# Altium PCB PCB1.PcbDoc
Units mm, origin at the board's own origin, x right, y up, seen from the top; angles counter-clockwise.
Board outline 119.76 x 82.55 mm, 2 copper layers (Top Layer, Bottom Layer); 52 components, 41 nets, 156 pads, 41 vias.
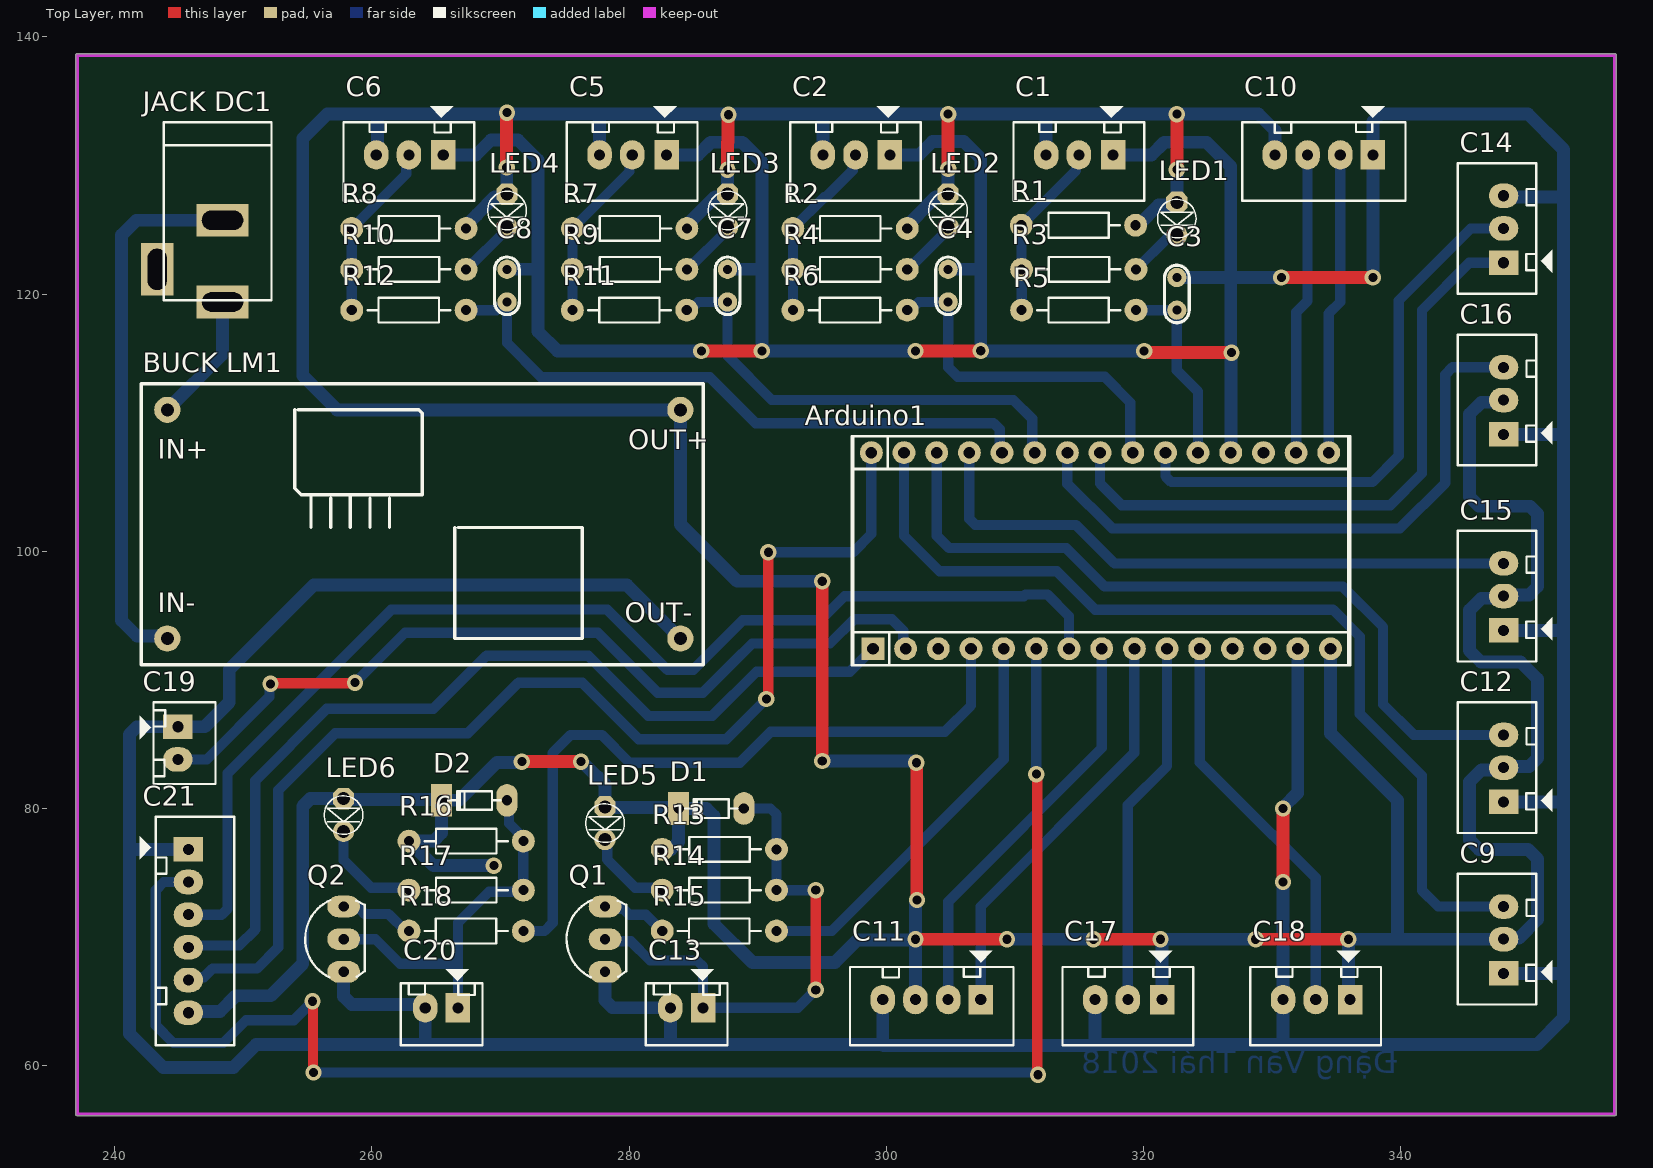
[diagram p0: Top Layer view]
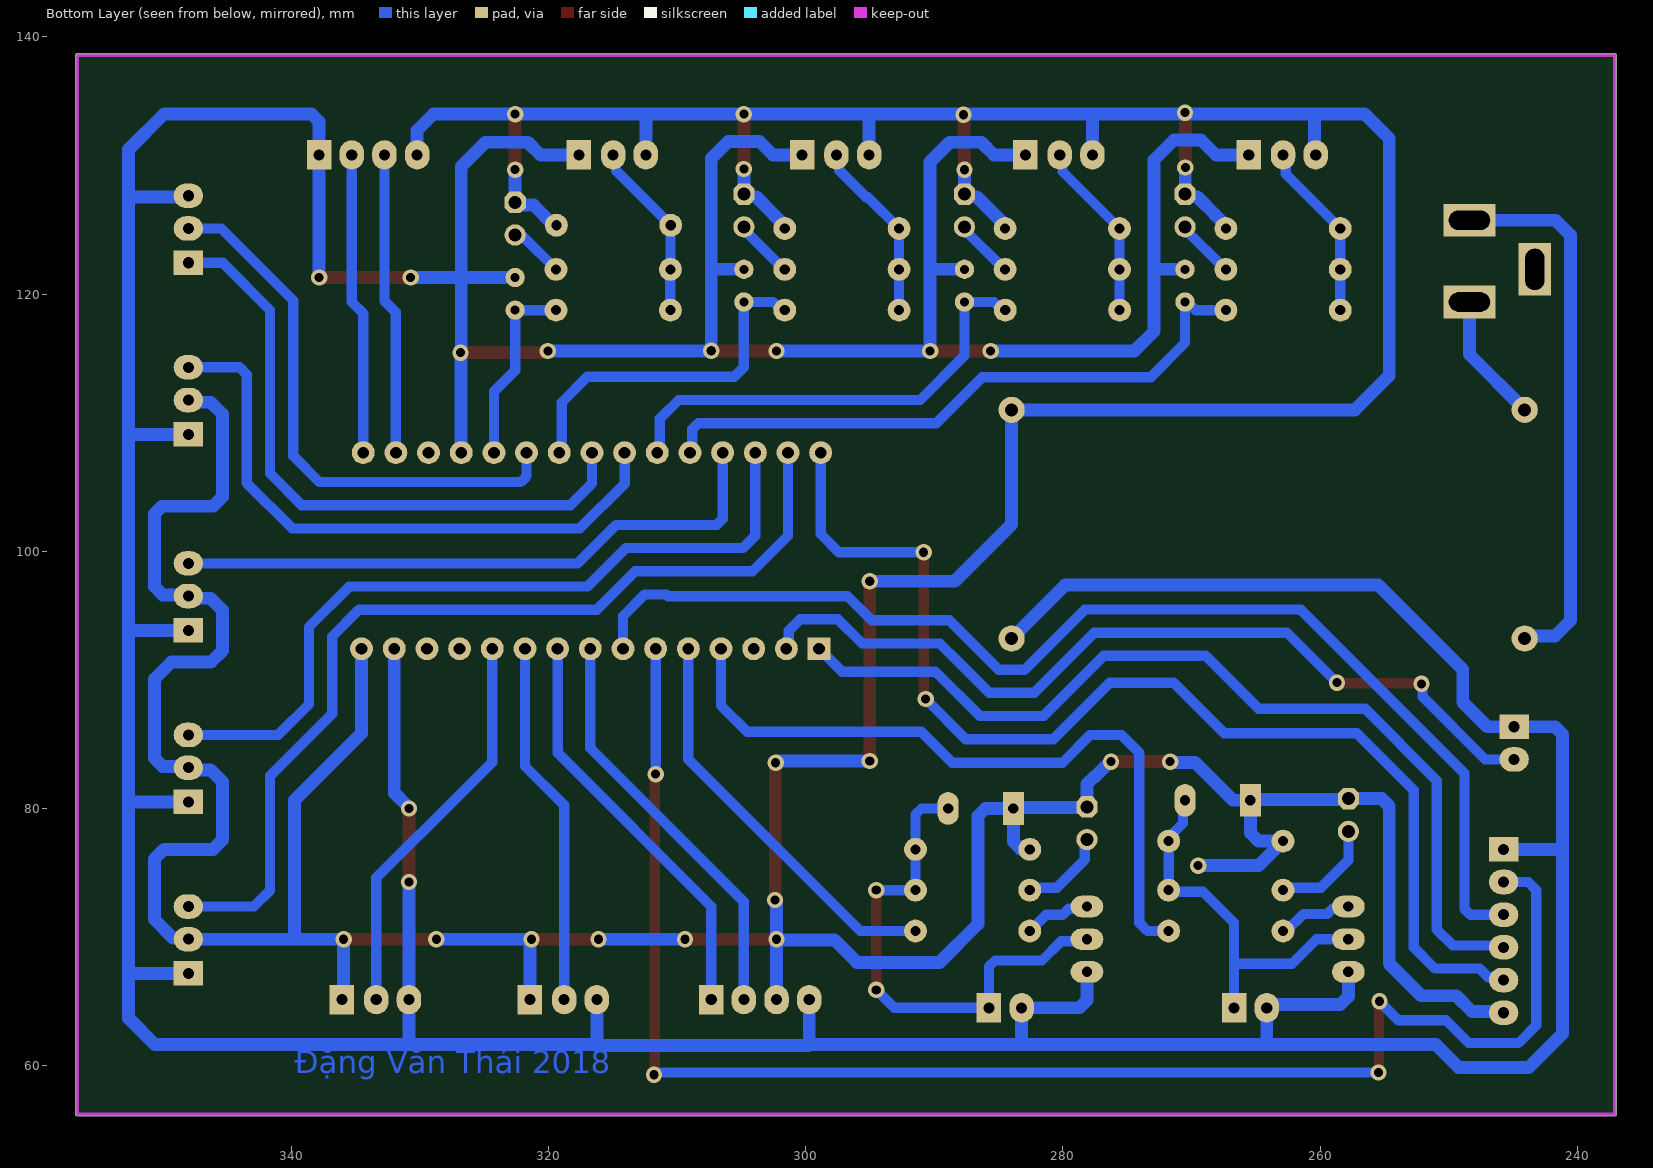
[diagram p1: Bottom Layer view, seen from below]

## Layer stack, top to bottom
Top Solder: solder mask 0.0102, Solder Resist, Dk 3.5
Top Layer: signal copper 0.0356
Dielectric 1: dielectric 0.32, FR-4, Dk 4.8
Bottom Layer: signal copper 0.0356
Bottom Solder: solder mask 0.0102, Solder Resist, Dk 3.5

## Board outline
236.982,56.261 236.982,138.557 cw(c237.109,138.557) 237.109,138.684 356.616,138.684 cw(c356.616,138.557) 356.743,138.557 356.743,56.261 cw(c356.616,56.261) 356.616,56.134 237.109,56.134 cw(c237.109,56.261)

## Design rules (kind name [scope] priority, off if disabled: settings)
Clearance [All] p1: gap=1 ignorepadtopadclearanceinfootprint=TRUE except(0.254: Arc-Hole Track-Hole SMDPad-Hole THPad-Hole Via-Hole Fill-Hole Poly-Hole Region-Hole Text-Hole)
PolygonConnect [All] p1: connectstyle=Relief reliefconductorwidth=0.254 reliefentries=4 polygonreliefangle="90 Angle" airgapwidth=0.254
RoutingVias [All] p1: holewidth=0.711 width=1.27 viastyle="Through Hole" minholewidth=0.711 minwidth=1.27 maxholewidth=0.711 maxwidth=1.27
SolderMaskExpansion [All] p1: expansion=0.102 istentingtop=FALSE
Width V12 [InNet('VCC12')] p1: maxlimit=1 minlimit=1 preferedwidth=1
Width GND [InNet('GND')] p2: maxlimit=1 minlimit=1 preferedwidth=1
Width GND12 [InNet('GND12')] p3: maxlimit=1 minlimit=1 preferedwidth=1
Width VCC [InNet('VCC5')] p4: maxlimit=1 minlimit=1 preferedwidth=1
Width SIGNAL [All] p5: maxlimit=0.8 minlimit=0.8 preferedwidth=0.8
30 further rules are at their usual default settings.

## Components (designator, comment, footprint, x,y, rotation, side; value= is the part's Value field where it differs from the comment)
Arduino1 "Arduino Nano" "Arduino Nano" 316.865,99.287 r270 top value="Cau 1A"
"BUCK LM1" "Buck LM2596" "BUCK LM2596" 263.665,102.87 r0 top
C1 "Sensor 01" Header3 317.5,130.81 r180 top
C2 "Sensor 0" Header3 300.143,130.81 r180 top
C3 "104" "tu gom" 322.58,120.015 r90 top
C4 "104" "tu gom" 304.8,120.65 r90 top
C5 "Sensor 02" Header3 282.787,130.81 r180 top
C6 "Sensor 03" Header3 265.43,130.81 r180 top
C7 "104" "tu gom" 287.655,120.65 r90 top
C8 "104" "tu gom" 270.51,120.65 r90 top
C9 "Servo_0" Header3 347.98,67.31 r90 top
C10 "USART_PC" Header4 337.82,130.81 r180 top
C11 "LCD_I2C" Header4 307.34,65.151 r180 top
C12 "Servo_1" Header3 347.98,80.645 r90 top
C13 "Header2" Header2 285.75,64.516 r180 top
C14 "L298N" Header3 347.98,122.555 r90 top
C15 "Servo_2" Header3 347.98,93.98 r90 top
C16 "Servo_3" Header3 347.98,109.22 r90 top
C17 "ADC1" Header3 321.31,65.151 r180 top
C18 "ADC2" Header3 335.915,65.151 r180 top
C19 "Header2" Header2 244.932,86.36 r270 top
C20 "Header2" Header2 266.7,64.516 r180 top
C21 "Header6" Header6 245.745,76.835 r270 top
D1 "100v" "DIODE 0.5A" 286.385,80.01 r0 top
D2 "100v" "DIODE 0.5A" 267.97,80.645 r0 top
"JACK DC1" "JACK DC 5.5" "JACK DC 5.5" 245.859,122.555 r270 top value="Jac DC"
LED1 "LED 3mm" LED-3MM-BLUE 322.58,125.73 r270 top
LED2 "LED 3mm" LED-3MM-BLUE 304.8,126.365 r270 top
LED3 "LED 3mm" LED-3MM-BLUE 287.655,126.365 r270 top
LED4 "LED 3mm" LED-3MM-BLUE 270.51,126.365 r270 top
LED5 "LED 3mm" LED-3MM-BLUE 278.13,78.74 r270 top
LED6 "LED 3mm" LED-3MM-BLUE 257.81,79.375 r270 top
Q1 "C1815" C1815_cam 278.13,69.85 r90 top
Q2 "C1815" C1815_cam 257.81,69.85 r90 top
R1 "47K" R1/4W 310.49,125.349 r0 top value="R1/4W - 1K"
R2 "47K" R1/4W 292.735,125.095 r0 top value="R1/4W - 1K"
R3 "100R" R1/4W 310.515,121.92 r0 top value="R1/4W - 1K"
R4 "100R" R1/4W 292.735,121.92 r0 top value="R1/4W - 1K"
R5 "4.7K" R1/4W 319.405,118.745 r180 top value="R1/4W - 1K"
R6 "4.7K" R1/4W 301.625,118.745 r180 top value="R1/4W - 1K"
R7 "47K" R1/4W 275.605,125.095 r0 top value="R1/4W - 1K"
R8 "47K" R1/4W 258.445,125.095 r0 top value="R1/4W - 1K"
R9 "100R" R1/4W 275.605,121.92 r0 top value="R1/4W - 1K"
R10 "100R" R1/4W 258.445,121.92 r0 top value="R1/4W - 1K"
R11 "4.7K" R1/4W 284.48,118.745 r180 top value="R1/4W - 1K"
R12 "4.7K" R1/4W 267.335,118.745 r180 top value="R1/4W - 1K"
R13 "510R" R1/4W 282.575,76.835 r0 top value="R1/4W - 1K"
R14 "510R" R1/4W 282.575,73.66 r0 top value="R1/4W - 1K"
R15 "510R" R1/4W 291.465,70.485 r180 top value="R1/4W - 1K"
R16 "510R" R1/4W 262.89,77.47 r0 top value="R1/4W - 1K"
R17 "510R" R1/4W 262.89,73.66 r0 top value="R1/4W - 1K"
R18 "510R" R1/4W 271.78,70.485 r180 top value="R1/4W - 1K"

## Footprints (in the part's own frame and the unit in brackets; to place one, negate y for a bottom-side part, rotate by r counter-clockwise, add the part's x,y. Pads: shape width x height; smd on the part's side, far side on the other; paste and mask are expansions set on the pad)
"Arduino Nano" [mil]
  round 70 hole 36: 3V3(270,-605) 5V(270,395) A0(270,-405) A1(270,-305) A2(270,-205) A3(270,-105) A4(270,-5) A5(270,95) A6(270,195) A7(270,295) D2(-330,290) D3(-330,190) D4(-330,90) D5(-330,-10) D6(-330,-110) D7(-330,-210) D8(-330,-310) D9(-330,-410) D10(-330,-510) D11(-330,-610) D12(-330,-710) GND(-330,390) GND(270,595) REF(270,-505) RST(-330,490) RST(270,495) RX0(-330,590) TX1(-330,690) VIN(270,695)
  rect 70x70 hole 36: D13(270,-705)
  silkscreen extent -380,-770 320,755, body extent -380,-924 320,844, height 834
"BUCK LM2596" [mil]
  round 80 hole 40: 1(-770,320) 2(-770,-380) 3(800,-380) 4(800,320)
  silkscreen extent -850,-460 870,400
C1815_cam [mil]
  oval 66x100 hole 32: 1(-100,0) 2(0,0) 3(100,0)
  silkscreen extent -117,-65 120,118, body extent -109,-66 109,95, height 245
"DIODE 0.5A" [mil] "Diode muoi, xung"
  oval 65x100 hole 32: 1(100,0)
  rect 65x100 hole 32: 2(-100,0)
  silkscreen extent -80,-30 80,28, body extent -108,-33 108,32, height 61
Header2 [mil] "CON2"
  rect 75x90 hole 34: 1(0,0)
  oval 75x90 hole 34: 2(100,0)
  silkscreen extent -75,-118 175,115, body extent -68,-70 168,107, height 236
Header3 [mil] "CON 3"
  rect 75x90 hole 34: 1(-5,0)
  oval 75x90 hole 34: 2(100,0) 3(200,0)
  silkscreen extent -100,-150 300,140, body extent -95,-90 295,136, height 276
Header4 [mil] "CON4"
  rect 75x90 hole 34: 1(0,0)
  oval 75x90 hole 34: 2(100,0) 3(200,0) 4(300,0)
  silkscreen extent -100,-150 400,140, body extent -90,-90 398,136, height 276
Header6 [mil] "CON6"
  rect 75x90 hole 34: 1(0,0)
  oval 75x90 hole 34: 2(100,0) 3(200,0) 4(300,0) 5(400,0) 6(500,0)
  silkscreen extent -100,-150 600,140
"JACK DC 5.5" [mm] "Jac DC input"
  rect 2.54x4.064 hole 1.5 slot 3.2 at 90 deg: 1(3.175,2.54) 2(-3.175,2.54)
  rect 4.064x2.54 hole 1.5 slot 3.2 at 0 deg: 3(0.635,-2.54)
  silkscreen extent -10.8,-2.03 3.05,6.35, body extent -10.42,-2.67 3.4,6.84, height 11.02
LED-3MM-BLUE [mil]
  oct 65x65 hole 40: 1(-55,0)
  round 65 hole 40: 2(45,0)
  silkscreen extent -64,-59 54,59, body extent -72,-65 54,65, height 184
R1/4W [mil]
  round 70 hole 31: 1(0,0) 2(350,0)
  silkscreen extent 48,-38 302,38, body extent -40,-47 386,47, height 111
"tu gom" [mm] "Tu gom mini"
  round 1.5 hole 0.7: 1(-1.27,0) 2(1.27,0)
  silkscreen extent -2.25,-0.97 2.22,0.97, body extent -2.92,-0.85 2.92,0.85, height 6.12

## Part data
Arduino1: "Arduino NANO"
C1 C2 C5 C6 C9 C12 C14 C15 C16 C17 C18: library part Header3, "Header IDC, 3 x 1 Pin Vertical 2.54mm Pitch (Non-Boxed, Male)", Manufacturer="W¨¹rth Elektronik eiSos GmbH", partNo=613002143121, ComponentLink1 Description=Manufacturer, ComponentLink1URL=http://www.we-online.com, ComponentLink2 Description=Datasheet, ComponentLink2URL=http://katalog.we-online.de/em/datasheet/6130xx143121.pdf, Created by="Karrer Zheng", Created Date="29 March 2013", NoPins=02
C3 C4 C7 C8: library part "Tu gom 104 50V", "Cắm", Chung_Loai=Cắm, Don_Vi=Con, Ma_Hang=MH004761, So_Chan=2, Ten_Linh_Kien="Tụ gốm 104 100nF 50V"
C10 C11: library part Header4, "Header IDC, 4 x 1 Pin Vertical 2.54mm Pitch (Non-Boxed, Male)", Manufacturer="W¨¹rth Elektronik eiSos GmbH", partNo=613002143121, ComponentLink1 Description=Manufacturer, ComponentLink1URL=http://www.we-online.com, ComponentLink2 Description=Datasheet, ComponentLink2URL=http://katalog.we-online.de/em/datasheet/6130xx143121.pdf, Created by="Karrer Zheng", Created Date="29 March 2013", NoPins=02
C13 C19 C20: "Header IDC, 2 x 1 Pin Vertical 2.54mm Pitch (Non-Boxed, Male)", Manufacturer="W¨¹rth Elektronik eiSos GmbH", partNo=613002143121, ComponentLink1 Description=Manufacturer, ComponentLink1URL=http://www.we-online.com, ComponentLink2 Description=Datasheet, ComponentLink2URL=http://katalog.we-online.de/em/datasheet/6130xx143121.pdf, Created by="Karrer Zheng", Created Date="29 March 2013", NoPins=02
C21: "Header IDC, 6 x 1 Pin Vertical 2.54mm Pitch (Non-Boxed, Male)", Manufacturer="W¨¹rth Elektronik eiSos GmbH", partNo=613002143121, ComponentLink1 Description=Manufacturer, ComponentLink1URL=http://www.we-online.com, ComponentLink2 Description=Datasheet, ComponentLink2URL=http://katalog.we-online.de/em/datasheet/6130xx143121.pdf, Created by="Karrer Zheng", Created Date="29 March 2013", NoPins=02
D1 D2: library part "Diode 1N4148", "Cắm", Chung_Loai=Cắm, Don_Vi=Con, Ma_Hang=MH001065, Ten_Linh_Kien="Diode 1N4148 DO35 450mA 100V ( 1N4148 DIP)"
LED1 LED2 LED3 LED4 LED5 LED6: library part "LED 3mm Xanh Duong", "Cắm", Chung_Loai=Cắm, Don_Vi=Con, Ma_Hang=MH009003, Ten_Linh_Kien="LED 3MM Xanh Dương SS (1000c)"
Q1 Q2: "NPN 600mW, ECB"
R1 R2 R3 R4 R5 R6 R7 R8 R9 R10 R11 R12 R13 R14 R15 R16 R17 R18: library part R1/4W, "Resistor 1/4W"

## Via types
v1: diameter 1.27, hole 0.711, Top Layer to Bottom Layer, 41 vias

## Nets (pads, with @x,y where several pads share a name; then routed paths per layer and width w, separated by ;. In a path a pad name is that pad's centre, name@x,y a point inside that pad or via, vN(x,y) a via of type N, cw(c..) or ccw(c..) an arc to the next point about the centre after c; other vN are vias at no path point)
ADC1: Arduino1.A6 C17.2 | length 28.5
  Bottom Layer w0.8: C17.2 318.77,80.264 321.818,83.312 Arduino1.A6
ADC2: Arduino1.A7 C18.2 | length 31
  Bottom Layer w0.8: Arduino1.A7 324.358,83.609 329.992,77.975 330.033,77.975 333.375,74.633 C18.2
GND: "BUCK LM1.3" Arduino1.GND C1.1 C2.1 C3.2 C4.2 C5.1 C6.1 C7.2 C8.2 C9.1 C10.1 C11.4 C12.1 C13.2 C14.3 C15.1 C16.1 C17.3 C18.3 C19.1 C20.2 C21.1 Q1.1 Q2.1 | length 550.4
  Top Layer w1: v1(285.62,115.57) v1(290.322,115.57) ; v1(302.26,115.57) 302.272,115.582 307.328,115.582 v1(307.34,115.593) ; v1(320.04,115.57) 320.092,115.518 320.283,115.518 320.358,115.443 v1(326.825,115.443) ; v1(330.708,121.285) v1(337.82,121.285) ; v1(330.835,74.295) v1(330.835,80.01)
  Bottom Layer w1: C21.1 241.173,76.835 ; Q2.1 257.81,65.405 258.445,64.77 263.906,64.77 C20.2 264.16,61.652 ; C6.1 268.109,130.81 269.267,131.968 271.367,131.968 272.924,130.411 272.924,121.92 ; C8.2 272.924,121.92 ; Q1.1 278.13,65.102 278.716,64.516 C13.2 283.21,61.652 ; C5.1 285.366,130.81 286.355,131.798 288.797,131.798 290.346,130.249 290.346,121.92 ; 283.985,93.218 279.829,97.374 255.489,97.374 248.92,90.805 248.92,88.265 247.015,86.36 C19.1 241.759,86.36 241.173,85.774 241.173,76.835 ; v1(285.62,115.57) 274.447,115.57 272.924,117.093 272.924,121.92 ; C7.2 290.346,121.92 ; C11.4 299.72,61.652 ; C2.1 302.543,130.81 303.583,131.85 306.017,131.85 307.34,130.527 307.34,121.793 ; v1(302.26,115.57) v1(290.322,115.57) 290.346,115.594 290.346,121.92 ; C4.2 307.213,121.92 307.34,121.793 ; C17.3 316.23,61.652 ; C1.1 320.608,130.81 321.6,131.802 324.89,131.802 326.771,129.921 326.771,121.285 ; v1(320.04,115.57) 320.028,115.582 307.352,115.582 v1(307.34,115.593) 307.34,121.793 ; C3.2 326.771,121.285 ; Arduino1.GND@326.771,107.669 326.798,107.696 326.798,115.416 v1(326.825,115.443) 326.773,115.495 326.773,115.686 326.771,115.688 326.771,121.285 ; v1(330.708,121.285) 326.771,121.285 ; v1(330.835,74.295) C18.3 330.835,61.652 ; v1(330.835,80.01) 330.835,80.083 331.978,81.226 Arduino1.GND@331.978,92.429 ; v1(337.82,121.285) C10.1 337.82,133.399 338.406,133.985 349.885,133.985 352.623,131.247 352.623,127.548 352.623,109.022 ; C9.1 352.623,67.183 ; C12.1 352.623,80.518 ; C15.1 352.298,93.853 352.623,94.178 ; C16.1 352.552,109.093 352.623,109.022 ; C14.3 348.067,127.548 352.512,127.548 352.623,127.437 ; 241.173,76.835 241.173,62.503 243.793,59.882 249.239,59.882 251.009,61.652 264.16,61.652 ; 264.16,61.652 283.21,61.652 ; 283.21,61.652 299.72,61.652 ; 299.72,61.652 299.777,61.595 316.173,61.595 316.23,61.652 ; 316.23,61.652 330.835,61.652 ; 330.835,61.652 350.577,61.652 352.623,63.698 352.623,67.183 ; 352.623,67.183 352.623,80.518 ; 352.623,80.518 352.623,93.853 352.623,109.022
GND12: "BUCK LM1.2" "JACK DC1.2" | length 42.4
  Bottom Layer w1: 244.107,93.218 243.909,93.415 241.759,93.415 240.549,94.625 240.549,124.573 241.706,125.73 248.399,125.73
NetC1_2: C1.2 R1.1 R3.1 R5.2 | length 13.9
  Bottom Layer w0.8: R5.2 R3.1 310.502,121.933 310.502,125.336 R1.1 314.749,129.608 314.749,130.599 C1.2
NetC2_2: C2.2 R2.1 R4.1 R6.2 | length 14.2
  Bottom Layer w0.8: R6.2 R4.1 R2.1 295.158,127.518 295.289,127.518 297.392,129.621 297.392,130.599 C2.2
NetC5_2: C5.2 R7.1 R9.1 R11.2 | length 14
  Bottom Layer w0.8: R11.2 275.598,118.753 275.598,121.912 R9.1 R7.1 280.035,129.525 280.035,130.599 C5.2
NetC6_2: C6.2 R8.1 R10.1 R12.2 | length 13.9
  Bottom Layer w0.8: R12.2 R10.1 R8.1 262.679,129.329 262.679,130.599 C6.2
NetC13_1: C13.1 D1.1 Q1.2 R13.2 R14.2 | length 40.5
  Top Layer w0.8: v1(294.513,65.913) v1(294.513,73.66)
  Bottom Layer w0.8: Q1.2 278.298,69.682 280.141,69.682 281.627,68.196 285.281,68.196 285.75,67.727 C13.1 293.116,64.516 v1(294.513,65.913) ; D1.1 290.996,80.01 291.465,79.541 R13.2 R14.2 v1(294.513,73.66)
NetC20_1: C20.1 D2.1 Q2.2 R16.2 R17.2 | length 29.9
  Bottom Layer w0.8: Q2.2 260.288,69.85 262.193,67.945 266.7,67.945 ; C20.1 266.7,67.945 ; D2.1 270.673,80.482 270.673,78.842 271.78,77.735 R17.2 271.65,73.53 269.11,73.53 266.7,71.12 266.7,67.945
NetLED1_2: LED1.2 R3.2 | length 4.3
  Bottom Layer w0.8: R3.2 321.909,124.424 322.417,124.424 LED1.2
NetLED2_2: LED2.2 R4.2 | length 4.7
  Bottom Layer w0.8: R4.2 301.687,121.92 304.8,125.033 LED2.2
NetLED3_2: LED3.2 R9.2 | length 4.6
  Bottom Layer w0.8: R9.2 284.557,121.92 287.655,125.018 LED3.2
NetLED4_2: LED4.2 R10.2 | length 4.7
  Bottom Layer w0.8: R10.2 267.397,121.92 270.51,125.033 LED4.2
NetLED5_2: LED5.2 R14.1 | length 6.9
  Bottom Layer w0.8: LED5.2 278.293,77.434 278.293,76.037 280.483,73.847 282.388,73.847 R14.1
NetLED6_2: LED6.2 R17.1 | length 8.3
  Bottom Layer w0.8: LED6.2 257.81,75.987 259.95,73.847 262.703,73.847 R17.1
NetQ1_3: Q1.3 R15.2 | length 5.2
  Bottom Layer w0.8: Q1.3 278.298,72.222 279.562,72.222 280.029,71.755 281.305,71.755 R15.2
NetQ2_3: Q2.3 R18.2 | length 5.9
  Bottom Layer w0.8: Q2.3 257.978,72.222 259.029,72.222 259.163,72.088 259.169,72.088 259.454,71.804 261.307,71.804 262.625,70.485 R18.2
OUT_0: Arduino1.D12 C21.5 | length 91.1
  Top Layer w0.8: v1(290.673,88.521) 290.673,88.648 290.83,88.805 v1(290.83,99.925)
  Bottom Layer w0.8: C21.5 246.235,66.675 246.446,66.886 246.934,66.886 247.611,67.564 251.079,67.564 252.735,69.22 252.735,81.432 257.155,85.852 267.462,85.852 271.399,89.789 276.358,89.789 280.745,85.402 287.555,85.402 v1(290.673,88.521) ; v1(290.83,99.925) 297.41,99.925 298.831,101.346 Arduino1.D12
OUT_1: Arduino1.D13 C21.4 | length 73.5
  Bottom Layer w0.8: C21.4 245.894,69.364 249.704,69.364 250.935,70.595 250.935,82.178 256.511,87.754 264.793,87.754 268.913,91.874 276.818,91.874 281.49,87.202 286.477,87.202 289.904,90.629 297.158,90.629 Arduino1.D13
OUT_2: Arduino1.A2 C21.2 | length 122.5
  Top Layer w0.8: v1(255.397,65.024) 255.433,64.988 255.433,59.527 v1(255.468,59.492) ; v1(311.658,82.677) 311.721,82.614 311.721,59.372 v1(311.785,59.309)
  Bottom Layer w0.8: C21.2 243.84,74.295 243.202,73.657 243.202,63.161 244.58,61.782 248.452,61.782 250.222,63.552 253.925,63.552 v1(255.397,65.024) ; v1(255.468,59.492) 311.475,59.492 311.658,59.309 v1(311.785,59.309) ; v1(311.658,82.677) Arduino1.A2
OUT_3: Arduino1.A3 C21.3 | length 92
  Bottom Layer w0.8: C21.3 248.324,71.755 248.793,72.224 248.793,82.761 261.506,95.474 278.309,95.474 282.981,90.802 284.985,90.802 288.82,94.637 294.863,94.637 296.744,96.518 310.683,96.518 310.815,96.65 312.501,96.65 314.198,94.953 Arduino1.A3
OUT_TTL_1: Arduino1.A1 R15.1 | length 31.8
  Bottom Layer w0.8: R15.1 295.763,70.485 309.118,83.84 Arduino1.A1
OUT_TTL_2: Arduino1.A0 R18.1 | length 56
  Bottom Layer w0.8: R18.1 273.431,70.485 274.069,71.123 274.069,78.418 274.066,78.421 274.066,84.328 275.466,85.728 277.873,85.728 280.035,83.566 288.6,83.566 291.013,85.979 304.546,85.979 306.578,88.011 Arduino1.A0
PWM1: Arduino1.D5 C14.1 | length 49.7
  Bottom Layer w0.8: Arduino1.D5 316.611,105.268 318.299,103.58 339.165,103.58 341.637,106.052 341.637,118.752 345.313,122.428 C14.1
PWM2: Arduino1.D3 C14.2 | length 43.5
  Bottom Layer w0.8: Arduino1.D3 321.691,105.849 322.16,105.38 337.79,105.38 339.837,107.427 339.837,119.498 345.434,125.095 C14.2
RX: Arduino1.RX0 C10.3 | length 23.5
  Bottom Layer w0.8: Arduino1.RX0 331.851,118.577 332.743,119.469 332.743,124.787 332.74,124.79 C10.3
SCL: Arduino1.A5 C11.1 | length 32.2
  Bottom Layer w0.8: C11.1 307.34,72.39 319.278,84.328 Arduino1.A5
SDA: Arduino1.A4 C11.2 | length 32.2
  Bottom Layer w0.8: C11.2 304.8,72.771 316.738,84.709 Arduino1.A4
SERVO_0: Arduino1.D11 C9.3 | length 73.7
  Bottom Layer w0.8: Arduino1.D11 301.371,101.208 304.129,98.45 313.247,98.45 316.237,95.46 334.724,95.46 336.807,93.377 336.807,87.367 341.63,82.544 341.63,73.66 342.9,72.39 C9.3
SERVO_1: Arduino1.D10 C12.3 | length 60.5
  Bottom Layer w0.8: Arduino1.D10 303.911,101.213 304.874,100.25 313.992,100.25 316.982,97.26 335.47,97.26 338.607,94.123 338.607,88.113 340.995,85.725 C12.3
SERVO_2: Arduino1.D9 C15.3 | length 48.1
  Bottom Layer w0.8: Arduino1.D9 306.448,107.666 306.448,102.522 306.92,102.05 314.738,102.05 317.728,99.06 C15.3
SERVO_3: Arduino1.D6 C16.3 | length 47.9
  Bottom Layer w0.8: Arduino1.D6 314.071,105.262 317.553,101.78 339.911,101.78 343.437,105.306 343.437,113.733 344.004,114.3 C16.3
SS_0: Arduino1.D4 C4.1 R6.1 | length 27.8
  Bottom Layer w0.8: R6.1 301.89,118.745 302.525,119.38 C4.1 304.8,114.3 305.542,113.558 316.972,113.558 318.964,111.566 318.964,107.856 Arduino1.D4
SS_1: Arduino1.D2 C3.1 R5.1 | length 14.9
  Bottom Layer w0.8: R5.1 C3.1 322.58,114.07 324.231,112.419 Arduino1.D2
SS_2: Arduino1.D7 C7.1 R11.1 | length 36
  Bottom Layer w0.8: R11.1 284.745,118.745 285.38,119.38 C7.1 287.655,115.189 291.084,111.76 304.794,111.76 304.796,111.758 309.882,111.758 311.344,110.296 311.344,107.856 Arduino1.D7
SS_3: Arduino1.D8 C8.1 R12.1 | length 49.6
  Bottom Layer w0.8: R12.1 269.686,118.745 270.321,119.38 C8.1 270.51,116.205 273.18,113.535 286.261,113.535 289.838,109.958 297.883,109.958 308.335,109.958 308.804,109.489 308.804,107.856 Arduino1.D8
TX: Arduino1.TX1 C10.2 | length 23.5
  Bottom Layer w0.8: Arduino1.TX1 334.391,118.491 335.28,119.38 C10.2
VCC5: "BUCK LM1.4" Arduino1.VIN C1.3 C2.3 C5.3 C6.3 C9.2 C10.4 C11.3 C12.2 C15.2 C16.2 C17.1 C18.1 C21.6 D1.2 D2.2 LED1.1 LED2.1 LED3.1 LED4.1 LED5.1 LED6.1 R1.2 R2.2 R7.2 R8.2 R13.1 R16.1 | length 493.9
  Top Layer w1: v1(270.482,129.833) 270.482,134.075 v1(270.51,134.103) ; v1(271.671,83.649) v1@276.266,83.65 ; v1(287.655,129.663) 287.655,131.798 287.679,131.822 287.679,133.882 v1(287.73,133.933) ; v1(295.017,83.697) v1(295.016,97.668) ; v1(302.26,69.85) v1(309.375,69.85) ; v1(302.33,83.566) 302.358,83.537 302.358,72.927 v1(302.387,72.898) ; v1(304.8,129.715) v1(304.8,133.985) ; v1(316.1,69.85) v1(321.31,69.85) ; v1(322.58,129.667) v1(322.58,133.985) ; v1(328.7,69.85) v1(335.915,69.85)
  Bottom Layer w1: C21.6 245.832,64.222 248.205,64.222 249.435,65.452 252.142,65.452 254.635,67.945 254.635,80.186 255.221,80.772 LED6.1 257.873,80.709 265.366,80.709 D2.2 ; C6.3 260.437,130.897 260.437,133.985 ; R8.2 267.335,125.306 268.184,126.155 268.184,126.185 269.556,127.556 270.304,127.556 LED4.1 270.496,127.776 270.496,129.819 v1(270.482,129.833) ; v1(269.494,75.565) 264.795,75.565 R16.1 264.795,77.47 265.43,78.105 D2.2 ; v1(271.671,83.649) 271.619,83.598 269.73,83.598 266.777,80.645 D2.2 ; v1(276.267,83.651) 276.34,83.651 277.529,82.463 277.582,82.463 278.121,81.924 278.121,80.146 278.193,80.073 283.781,80.073 D1.2 ; C5.3 277.707,133.773 277.495,133.985 ; R13.1 283.259,76.835 283.845,77.421 D1.2 ; R7.2 284.644,125.244 284.644,125.5 286.701,127.556 287.449,127.556 LED3.1 v1(287.655,129.663) ; v1(295.016,97.668) 288.412,97.668 283.985,102.095 283.985,110.998 257.302,110.998 254.635,113.665 254.635,132.08 256.54,133.985 260.438,133.985 ; v1(295.017,83.697) 295.14,83.697 295.142,83.695 302.128,83.695 302.257,83.566 v1(302.33,83.566) ; C2.3 295.063,133.773 295.275,133.985 ; R2.2 301.625,125.306 302.474,126.155 302.474,126.185 303.846,127.556 304.594,127.556 LED2.1 v1(304.8,129.715) ; C11.3 v1(302.26,69.85) ; v1(302.387,72.898) 302.387,72.825 302.26,72.698 v1(302.26,69.85) ; v1(309.375,69.85) v1(316.1,69.85) ; C1.3 312.42,133.985 ; R1.2 319.59,125.349 321.162,126.921 322.374,126.921 LED1.1 v1(322.58,129.667) ; C17.1 321.437,69.65 321.31,69.777 v1(321.31,69.85) v1(328.7,69.85) ; C10.4 330.2,132.715 328.93,133.985 v1(322.58,133.985) 312.42,133.985 ; Arduino1.VIN 334.518,85.852 339.725,80.645 339.725,69.85 ; v1(335.915,69.85) 335.915,65.278 C18.1 ; v1@335.967,69.777 336.04,69.85 339.725,69.85 ; C16.2 347.807,111.587 346.257,111.587 345.337,110.667 345.337,104.243 346.075,103.505 350.037,103.505 350.623,102.919 350.623,97.258 349.972,96.607 348.067,96.607 347.807,96.347 346.257,96.347 345.337,95.427 345.337,92.279 346.216,91.4 349.29,91.4 350.623,90.067 350.623,83.923 349.972,83.272 348.067,83.272 347.807,83.012 346.257,83.012 345.337,82.092 345.337,77.573 346.075,76.835 349.885,76.835 350.623,76.097 350.623,71.374 349.186,69.937 348.067,69.937 C9.2 339.725,69.85 ; 260.438,133.985 277.495,133.985 ; 277.495,133.985 287.679,133.985 v1(287.73,133.933) 287.782,133.985 295.275,133.985 ; D1.2 286.014,80.01 286.599,79.424 286.599,71.033 289.584,68.048 296.013,68.048 297.763,69.798 302.208,69.798 v1(302.26,69.85) ; 295.275,133.985 312.42,133.985
VCC12: "BUCK LM1.1" "JACK DC1.1" | length 10.2
  Bottom Layer w1: 244.107,110.998 248.399,115.291 248.399,119.38
VCC33: Arduino1.3V3 C19.2 | length 67.1
  Top Layer w0.8: v1(252.132,89.699) 252.177,89.744 258.654,89.744 v1(258.699,89.789)
  Bottom Layer w0.8: C19.2 247.162,83.82 252.042,88.7 252.042,89.609 v1(252.132,89.699) ; v1(258.699,89.789) 262.584,93.674 277.564,93.674 282.236,89.002 285.731,89.002 288.108,91.379 289.566,92.837 295.608,92.837 297.489,94.718 300.427,94.718 301.311,93.834 301.311,92.616 Arduino1.3V3
pads on no net: "JACK DC1.3" Arduino1.5V Arduino1.REF Arduino1.RST

## Keep-outs
Keep-Out Layer:
  lines w0.254: 237.109,56.261 237.109,138.557 356.616,138.557 356.616,56.261 237.109,56.261

## Other copper
Bottom Layer:
  text "Đặng Văn Thái 2018" at 339.725,58.859 h3

## Text inside footprints (layer, text, board x,y; h text height)
"BUCK LM1": Top Overlay "IN+" at 243.345,107.188 h1.52; Top Overlay "IN-" at 243.345,95.25 h1.52; Top Overlay "OUT+" at 279.921,107.95 h1.52; Top Overlay "OUT-" at 279.667,94.488 h1.52